# KiCad board Solder.kicad_pcb (continued)
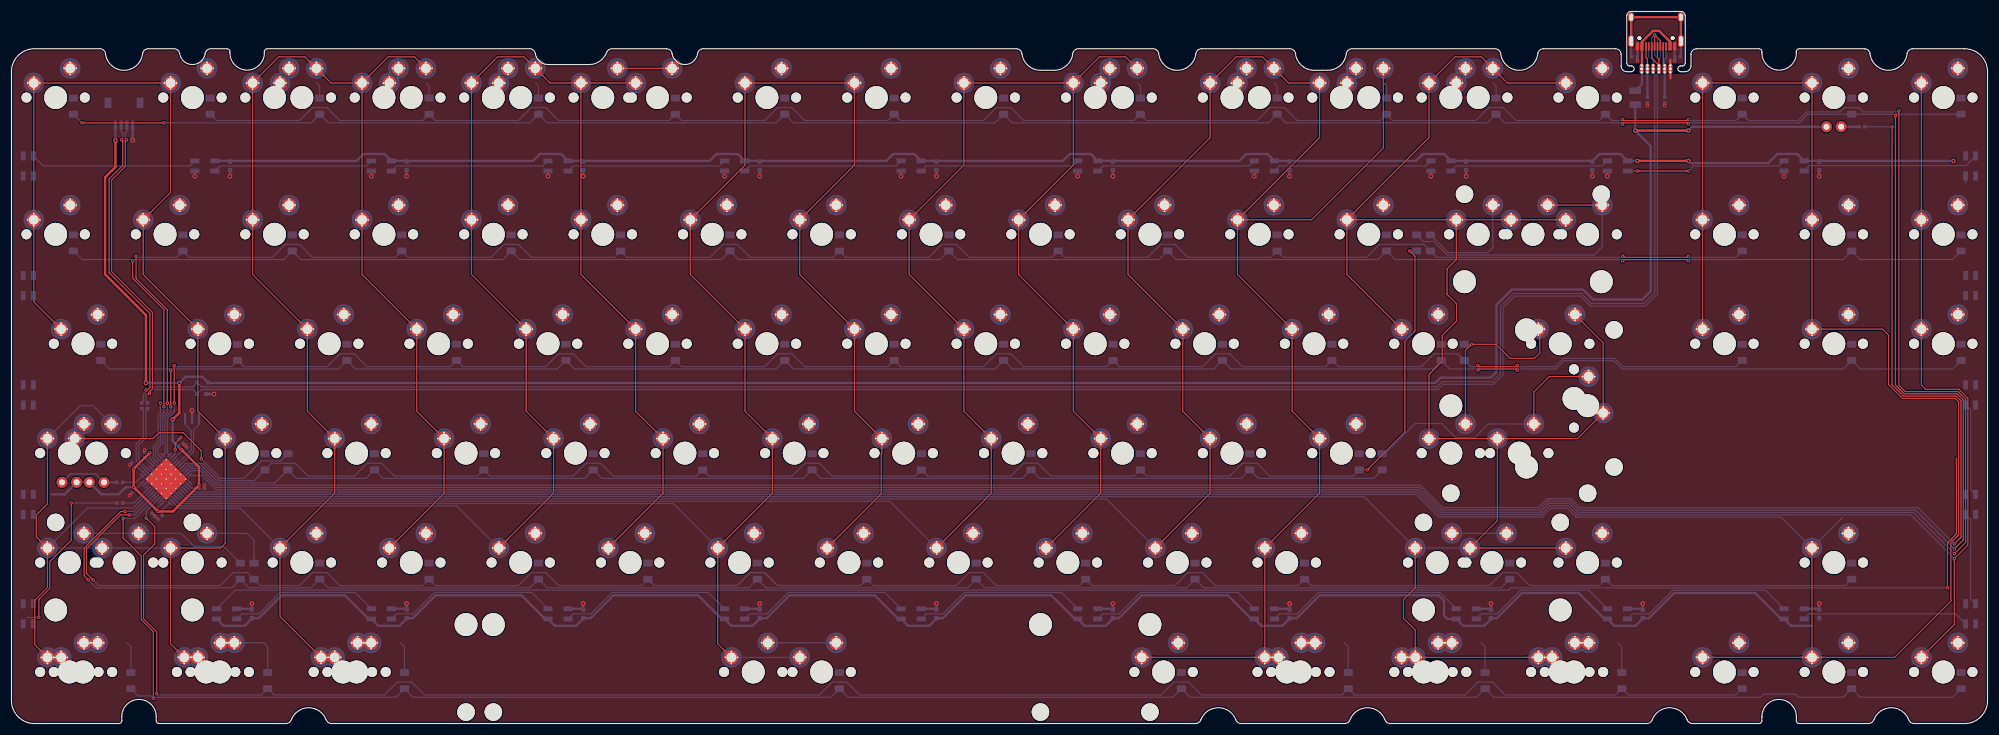
[diagram p0: board, top side]
## Copper pours and planes (outline as drawn; the poured copper is in the pictures) (continued)
C1 on Top: 61.13,85.22 61.13,85.33 61.13,85.43 61.14,85.52 61.16,85.61 61.17,85.69 61.19,85.76 61.21,85.83 61.24,85.9 61.27,85.96 61.3,86.02 61.33,86.08 61.36,86.13 61.4,86.18 61.44,86.23 61.79,86.62 61.83,86.68 61.88,86.73 61.93,86.8 61.97,86.86 62.02,86.93 62.06,87 62.11,87.08 62.15,87.17 61.03,88.34 59.9,87.17 59.94,87.08 59.99,87 60.03,86.93 60.08,86.86 60.13,86.8 60.17,86.73 60.22,86.68 60.27,86.62 60.61,86.23 60.65,86.18 60.69,86.13 60.72,86.08 60.76,86.02 60.79,85.96 60.81,85.9 60.84,85.83 60.86,85.76 60.88,85.69 60.9,85.61 60.91,85.52 60.92,85.43 60.92,85.33 60.93,85.22
C1 on Top: 73.48,51.3 73.56,51.23 73.62,51.15 73.68,51.08 73.73,51.01 73.78,50.94 73.82,50.88 73.85,50.81 73.88,50.75 73.91,50.68 73.93,50.62 73.94,50.56 73.95,50.5 73.97,50.43 73.97,50.37 74,49.85 74.01,49.78 74.02,49.7 74.03,49.63 74.04,49.55 74.06,49.47 74.08,49.38 74.1,49.3 74.13,49.2 75.76,49.17 75.72,50.8 75.63,50.82 75.55,50.85 75.46,50.87 75.38,50.89 75.3,50.9 75.23,50.91 75.15,50.92 75.08,50.93 74.56,50.96 74.49,50.96 74.43,50.97 74.37,50.99 74.31,51 74.25,51.02 74.18,51.05 74.12,51.08 74.05,51.11 73.99,51.15 73.92,51.2 73.85,51.25 73.77,51.31 73.7,51.37 73.62,51.45
C1 on Top: 70.65,66.17 70.65,66.28 70.66,66.38 70.67,66.47 70.68,66.56 70.7,66.64 70.72,66.71 70.74,66.78 70.76,66.85 70.79,66.91 70.82,66.97 70.85,67.03 70.89,67.08 70.93,67.13 70.96,67.18 71.31,67.57 71.36,67.63 71.41,67.68 71.45,67.75 71.5,67.81 71.54,67.88 71.59,67.95 71.63,68.03 71.68,68.12 70.55,69.29 69.43,68.12 69.47,68.03 69.51,67.95 69.56,67.88 69.6,67.81 69.65,67.75 69.7,67.68 69.74,67.63 69.79,67.57 70.14,67.18 70.18,67.13 70.21,67.08 70.25,67.03 70.28,66.97 70.31,66.91 70.34,66.85 70.36,66.78 70.39,66.71 70.41,66.64 70.42,66.56 70.43,66.47 70.44,66.38 70.45,66.28 70.45,66.17
C1 on Top: 54.43,51.3 54.51,51.23 54.57,51.15 54.63,51.08 54.68,51.01 54.73,50.94 54.77,50.88 54.8,50.81 54.83,50.75 54.86,50.68 54.88,50.62 54.89,50.56 54.9,50.5 54.92,50.43 54.92,50.37 54.95,49.85 54.96,49.78 54.97,49.7 54.98,49.63 54.99,49.55 55.01,49.47 55.03,49.38 55.05,49.3 55.08,49.2 56.71,49.17 56.67,50.8 56.58,50.82 56.5,50.85 56.41,50.87 56.33,50.89 56.25,50.9 56.18,50.91 56.1,50.92 56.03,50.93 55.51,50.96 55.44,50.96 55.38,50.97 55.32,50.99 55.26,51 55.2,51.02 55.13,51.05 55.07,51.08 55,51.11 54.94,51.15 54.87,51.2 54.8,51.25 54.72,51.31 54.65,51.37 54.57,51.45
C1 on Top: 51.6,66.17 51.6,66.28 51.61,66.38 51.62,66.47 51.63,66.56 51.65,66.64 51.67,66.71 51.69,66.78 51.71,66.85 51.74,66.91 51.77,66.97 51.8,67.03 51.84,67.08 51.88,67.13 51.91,67.18 52.26,67.57 52.31,67.63 52.36,67.68 52.4,67.75 52.45,67.81 52.49,67.88 52.54,67.95 52.58,68.03 52.63,68.12 51.5,69.29 50.38,68.12 50.42,68.03 50.46,67.95 50.51,67.88 50.55,67.81 50.6,67.75 50.65,67.68 50.69,67.63 50.74,67.57 51.09,67.18 51.13,67.13 51.16,67.08 51.2,67.03 51.23,66.97 51.26,66.91 51.29,66.85 51.31,66.78 51.34,66.71 51.36,66.64 51.37,66.56 51.38,66.47 51.39,66.38 51.4,66.28 51.4,66.17
C1 on Top: 56.36,47.12 56.37,47.23 56.37,47.33 56.38,47.42 56.39,47.51 56.41,47.59 56.43,47.66 56.45,47.73 56.48,47.8 56.5,47.86 56.53,47.92 56.57,47.98 56.6,48.03 56.64,48.08 56.68,48.13 57.03,48.52 57.07,48.58 57.12,48.63 57.16,48.7 57.21,48.76 57.26,48.83 57.3,48.9 57.35,48.98 57.39,49.07 56.26,50.24 55.14,49.07 55.18,48.98 55.23,48.9 55.27,48.83 55.32,48.76 55.36,48.7 55.41,48.63 55.46,48.58 55.5,48.52 55.85,48.13 55.89,48.08 55.93,48.03 55.96,47.98 55.99,47.92 56.02,47.86 56.05,47.8 56.08,47.73 56.1,47.66 56.12,47.59 56.13,47.51 56.15,47.42 56.16,47.33 56.16,47.23 56.16,47.12
C1 on Top: 48.43,32.4 48.35,32.32 48.28,32.26 48.21,32.2 48.14,32.15 48.07,32.1 48,32.06 47.94,32.03 47.87,32 47.81,31.97 47.74,31.95 47.68,31.94 47.62,31.92 47.56,31.91 47.5,31.91 46.97,31.88 46.9,31.87 46.83,31.86 46.75,31.85 46.67,31.84 46.59,31.82 46.51,31.8 46.42,31.77 46.33,31.75 46.3,30.12 47.92,30.15 47.95,30.25 47.97,30.33 48,30.42 48.01,30.5 48.03,30.58 48.04,30.65 48.04,30.73 48.05,30.8 48.08,31.32 48.09,31.38 48.1,31.45 48.11,31.51 48.13,31.57 48.15,31.63 48.17,31.7 48.2,31.76 48.24,31.83 48.27,31.89 48.32,31.96 48.37,32.03 48.43,32.1 48.5,32.18 48.57,32.25
C1 on Top: 75.41,47.12 75.42,47.23 75.42,47.33 75.43,47.42 75.44,47.51 75.46,47.59 75.48,47.66 75.5,47.73 75.53,47.8 75.55,47.86 75.58,47.92 75.62,47.98 75.65,48.03 75.69,48.08 75.73,48.13 76.08,48.52 76.12,48.58 76.17,48.63 76.21,48.7 76.26,48.76 76.31,48.83 76.35,48.9 76.4,48.98 76.44,49.07 75.31,50.24 74.19,49.07 74.23,48.98 74.28,48.9 74.32,48.83 74.37,48.76 74.41,48.7 74.46,48.63 74.51,48.58 74.55,48.52 74.9,48.13 74.94,48.08 74.98,48.03 75.01,47.98 75.04,47.92 75.07,47.86 75.1,47.8 75.13,47.73 75.15,47.66 75.17,47.59 75.18,47.51 75.2,47.42 75.21,47.33 75.21,47.23 75.21,47.12
C1 on Top: 67.48,32.4 67.4,32.32 67.33,32.26 67.26,32.2 67.19,32.15 67.12,32.1 67.05,32.06 66.99,32.03 66.92,32 66.86,31.97 66.79,31.95 66.73,31.94 66.67,31.92 66.61,31.91 66.55,31.91 66.02,31.88 65.95,31.87 65.88,31.86 65.8,31.85 65.72,31.84 65.64,31.82 65.56,31.8 65.47,31.77 65.38,31.75 65.35,30.12 66.97,30.15 67,30.25 67.02,30.33 67.05,30.42 67.06,30.5 67.08,30.58 67.09,30.65 67.09,30.73 67.1,30.8 67.13,31.32 67.14,31.38 67.15,31.45 67.16,31.51 67.18,31.57 67.2,31.63 67.22,31.7 67.25,31.76 67.29,31.83 67.32,31.89 67.37,31.96 67.42,32.03 67.48,32.1 67.55,32.18 67.62,32.25
C1 on Top: 60.93,90.2 60.92,90.1 60.92,90 60.91,89.91 60.9,89.82 60.88,89.74 60.86,89.66 60.84,89.59 60.81,89.53 60.79,89.47 60.76,89.41 60.72,89.35 60.69,89.3 60.65,89.25 60.61,89.2 60.27,88.81 60.22,88.75 60.17,88.69 60.13,88.63 60.08,88.57 60.03,88.5 59.99,88.42 59.94,88.34 59.9,88.26 61.03,87.09 62.15,88.26 62.11,88.34 62.06,88.42 62.02,88.5 61.97,88.57 61.93,88.63 61.88,88.69 61.83,88.75 61.79,88.81 61.44,89.2 61.4,89.25 61.36,89.3 61.33,89.35 61.3,89.41 61.27,89.47 61.24,89.53 61.21,89.59 61.19,89.66 61.17,89.74 61.16,89.82 61.14,89.91 61.13,90 61.13,90.1 61.13,90.2
C1 on Top: 62.72,113.36 62.64,113.28 62.57,113.22 62.49,113.16 62.42,113.11 62.36,113.06 62.29,113.02 62.22,112.99 62.16,112.96 62.1,112.94 62.03,112.92 61.97,112.9 61.91,112.89 61.85,112.88 61.78,112.87 61.26,112.84 61.19,112.83 61.12,112.82 61.04,112.81 60.96,112.8 60.88,112.78 60.79,112.76 60.71,112.74 60.62,112.71 60.58,111.09 62.21,111.12 62.24,111.21 62.26,111.3 62.28,111.38 62.3,111.46 62.31,111.54 62.32,111.62 62.33,111.69 62.34,111.76 62.37,112.28 62.38,112.35 62.39,112.41 62.4,112.47 62.42,112.53 62.44,112.6 62.46,112.66 62.49,112.72 62.52,112.79 62.56,112.86 62.61,112.92 62.66,112.99 62.72,113.07 62.78,113.14 62.86,113.22
C1 on Top: 58.54,111.43 58.64,111.43 58.74,111.42 58.83,111.41 58.92,111.4 59,111.38 59.08,111.36 59.15,111.34 59.21,111.31 59.27,111.29 59.33,111.26 59.39,111.22 59.44,111.19 59.49,111.15 59.54,111.11 59.93,110.77 59.99,110.72 60.05,110.67 60.11,110.63 60.17,110.58 60.24,110.53 60.32,110.49 60.4,110.45 60.48,110.4 61.65,111.53 60.48,112.65 60.4,112.61 60.32,112.56 60.24,112.52 60.17,112.47 60.11,112.43 60.05,112.38 59.99,112.33 59.93,112.29 59.54,111.94 59.49,111.9 59.44,111.86 59.39,111.83 59.33,111.8 59.27,111.77 59.21,111.74 59.15,111.71 59.08,111.69 59,111.67 58.92,111.66 58.83,111.64 58.74,111.63 58.64,111.63 58.54,111.63
C1 on Top: 70.31,115.76 70.38,115.68 70.45,115.61 70.51,115.53 70.56,115.46 70.6,115.4 70.64,115.33 70.68,115.26 70.71,115.2 70.73,115.14 70.75,115.07 70.77,115.01 70.78,114.95 70.79,114.89 70.8,114.82 70.83,114.3 70.83,114.23 70.84,114.16 70.85,114.08 70.87,114 70.88,113.92 70.9,113.84 70.93,113.75 70.96,113.66 72.58,113.63 72.55,115.25 72.46,115.28 72.37,115.3 72.29,115.32 72.21,115.34 72.13,115.35 72.05,115.36 71.98,115.37 71.9,115.38 71.38,115.41 71.32,115.42 71.26,115.43 71.2,115.44 71.13,115.46 71.07,115.48 71.01,115.5 70.94,115.53 70.88,115.56 70.81,115.6 70.74,115.65 70.67,115.7 70.6,115.76 70.53,115.82 70.45,115.9
C1 on Top: 52.05,13.2 52.13,13.13 52.19,13.05 52.25,12.98 52.3,12.91 52.35,12.84 52.39,12.78 52.42,12.71 52.45,12.65 52.47,12.58 52.49,12.52 52.51,12.46 52.52,12.4 52.53,12.33 52.54,12.27 52.57,11.75 52.58,11.68 52.59,11.6 52.6,11.53 52.61,11.45 52.63,11.37 52.65,11.28 52.67,11.2 52.7,11.1 54.32,11.07 54.29,12.7 54.2,12.72 54.11,12.75 54.03,12.77 53.95,12.79 53.87,12.8 53.79,12.81 53.72,12.82 53.65,12.83 53.13,12.86 53.06,12.86 53,12.87 52.94,12.89 52.88,12.9 52.81,12.92 52.75,12.95 52.69,12.98 52.62,13.01 52.55,13.05 52.49,13.1 52.42,13.15 52.34,13.21 52.27,13.27 52.19,13.35
C1 on Top: 46.84,28.07 46.84,28.18 46.85,28.28 46.86,28.37 46.87,28.46 46.89,28.54 46.9,28.61 46.93,28.68 46.95,28.75 46.98,28.81 47.01,28.87 47.04,28.93 47.08,28.98 47.11,29.03 47.15,29.08 47.5,29.47 47.55,29.53 47.59,29.58 47.64,29.65 47.69,29.71 47.73,29.78 47.78,29.85 47.82,29.93 47.86,30.02 46.74,31.19 45.61,30.02 45.66,29.93 45.7,29.85 45.75,29.78 45.79,29.71 45.84,29.65 45.88,29.58 45.93,29.53 45.98,29.47 46.33,29.08 46.36,29.03 46.4,28.98 46.44,28.93 46.47,28.87 46.5,28.81 46.53,28.75 46.55,28.68 46.57,28.61 46.59,28.54 46.61,28.46 46.62,28.37 46.63,28.28 46.64,28.18 46.64,28.07
C1 on Top: 41.88,90.2 41.87,90.1 41.87,90 41.86,89.91 41.85,89.82 41.83,89.74 41.81,89.66 41.79,89.59 41.76,89.53 41.74,89.47 41.71,89.41 41.67,89.35 41.64,89.3 41.6,89.25 41.56,89.2 41.22,88.81 41.17,88.75 41.12,88.69 41.08,88.63 41.03,88.57 40.98,88.5 40.94,88.42 40.89,88.34 40.85,88.26 41.98,87.09 43.1,88.26 43.06,88.34 43.01,88.42 42.97,88.5 42.92,88.57 42.88,88.63 42.83,88.69 42.78,88.75 42.74,88.81 42.39,89.2 42.35,89.25 42.31,89.3 42.28,89.35 42.25,89.41 42.22,89.47 42.19,89.53 42.16,89.59 42.14,89.66 42.12,89.74 42.11,89.82 42.09,89.91 42.08,90 42.08,90.1 42.08,90.2
C1 on Top: 42.08,109.04 42.08,109.14 42.08,109.24 42.09,109.33 42.11,109.42 42.12,109.5 42.14,109.58 42.16,109.65 42.19,109.71 42.22,109.78 42.25,109.83 42.28,109.89 42.31,109.94 42.35,109.99 42.39,110.04 42.74,110.43 42.78,110.49 42.83,110.55 42.88,110.61 42.92,110.67 42.97,110.74 43.01,110.82 43.06,110.9 43.1,110.98 41.98,112.15 40.85,110.98 40.89,110.9 40.94,110.82 40.98,110.74 41.03,110.67 41.08,110.61 41.12,110.55 41.17,110.49 41.22,110.43 41.56,110.04 41.6,109.99 41.64,109.94 41.67,109.89 41.71,109.83 41.74,109.78 41.76,109.71 41.79,109.65 41.81,109.58 41.83,109.5 41.85,109.42 41.86,109.33 41.87,109.24 41.87,109.14 41.88,109.04
C1 on Top: 51.26,115.76 51.33,115.68 51.4,115.61 51.46,115.53 51.51,115.46 51.55,115.4 51.59,115.33 51.63,115.26 51.66,115.2 51.68,115.14 51.7,115.07 51.72,115.01 51.73,114.95 51.74,114.89 51.75,114.82 51.78,114.3 51.78,114.23 51.79,114.16 51.8,114.08 51.82,114 51.83,113.92 51.85,113.84 51.88,113.75 51.91,113.66 53.53,113.63 53.5,115.25 53.41,115.28 53.32,115.3 53.24,115.32 53.16,115.34 53.08,115.35 53,115.36 52.93,115.37 52.85,115.38 52.33,115.41 52.27,115.42 52.21,115.43 52.15,115.44 52.08,115.46 52.02,115.48 51.96,115.5 51.89,115.53 51.83,115.56 51.76,115.6 51.69,115.65 51.62,115.7 51.55,115.76 51.48,115.82 51.4,115.9
C1 on Top: 61.13,109.04 61.13,109.14 61.13,109.24 61.14,109.33 61.16,109.42 61.17,109.5 61.19,109.58 61.21,109.65 61.24,109.71 61.27,109.78 61.3,109.83 61.33,109.89 61.36,109.94 61.4,109.99 61.44,110.04 61.79,110.43 61.83,110.49 61.88,110.55 61.93,110.61 61.97,110.67 62.02,110.74 62.06,110.82 62.11,110.9 62.15,110.98 61.03,112.15 59.9,110.98 59.94,110.9 59.99,110.82 60.03,110.74 60.08,110.67 60.13,110.61 60.17,110.55 60.22,110.49 60.27,110.43 60.61,110.04 60.65,109.99 60.69,109.94 60.72,109.89 60.76,109.83 60.79,109.78 60.81,109.71 60.84,109.65 60.86,109.58 60.88,109.5 60.9,109.42 60.91,109.33 60.92,109.24 60.92,109.14 60.93,109.04
C1 on Top: 43.67,113.36 43.59,113.28 43.52,113.22 43.44,113.16 43.37,113.11 43.31,113.06 43.24,113.02 43.17,112.99 43.11,112.96 43.05,112.94 42.98,112.92 42.92,112.9 42.86,112.89 42.8,112.88 42.73,112.87 42.21,112.84 42.14,112.83 42.07,112.82 41.99,112.81 41.91,112.8 41.83,112.78 41.74,112.76 41.66,112.74 41.57,112.71 41.53,111.09 43.16,111.12 43.19,111.21 43.21,111.3 43.23,111.38 43.25,111.46 43.26,111.54 43.27,111.62 43.28,111.69 43.29,111.76 43.32,112.28 43.33,112.35 43.34,112.41 43.35,112.47 43.37,112.53 43.39,112.6 43.41,112.66 43.44,112.72 43.47,112.79 43.51,112.86 43.56,112.92 43.61,112.99 43.67,113.07 43.73,113.14 43.81,113.22
C1 on Top: 54.92,112.38 54.85,112.45 54.78,112.53 54.72,112.6 54.67,112.67 54.62,112.74 54.59,112.81 54.55,112.87 54.52,112.94 54.5,113 54.48,113.06 54.46,113.12 54.45,113.19 54.44,113.25 54.43,113.31 54.4,113.83 54.39,113.9 54.39,113.98 54.38,114.05 54.36,114.13 54.35,114.21 54.32,114.3 54.3,114.39 54.27,114.48 52.65,114.51 52.68,112.89 52.77,112.86 52.86,112.83 52.94,112.81 53.02,112.79 53.1,112.78 53.18,112.77 53.25,112.76 53.32,112.76 53.85,112.73 53.91,112.72 53.97,112.71 54.03,112.69 54.09,112.68 54.16,112.66 54.22,112.63 54.29,112.6 54.35,112.57 54.42,112.53 54.49,112.49 54.56,112.43 54.63,112.38 54.7,112.31 54.78,112.24
C1 on Top: 42.08,85.22 42.08,85.33 42.08,85.43 42.09,85.52 42.11,85.61 42.12,85.69 42.14,85.76 42.16,85.83 42.19,85.9 42.22,85.96 42.25,86.02 42.28,86.08 42.31,86.13 42.35,86.18 42.39,86.23 42.74,86.62 42.78,86.68 42.83,86.73 42.88,86.8 42.92,86.86 42.97,86.93 43.01,87 43.06,87.08 43.1,87.17 41.98,88.34 40.85,87.17 40.89,87.08 40.94,87 40.98,86.93 41.03,86.86 41.08,86.8 41.12,86.73 41.17,86.68 41.22,86.62 41.56,86.23 41.6,86.18 41.64,86.13 41.67,86.08 41.71,86.02 41.74,85.96 41.76,85.9 41.79,85.83 41.81,85.76 41.83,85.69 41.85,85.61 41.86,85.52 41.87,85.43 41.87,85.33 41.88,85.22
C1 on Top: 49.67,70.35 49.74,70.28 49.81,70.2 49.87,70.13 49.92,70.06 49.97,69.99 50.01,69.93 50.04,69.86 50.07,69.8 50.09,69.73 50.11,69.67 50.13,69.61 50.14,69.55 50.15,69.48 50.16,69.42 50.19,68.9 50.2,68.83 50.2,68.75 50.21,68.68 50.23,68.6 50.25,68.52 50.27,68.43 50.29,68.35 50.32,68.25 51.94,68.22 51.91,69.85 51.82,69.87 51.73,69.9 51.65,69.92 51.57,69.94 51.49,69.95 51.41,69.96 51.34,69.97 51.27,69.98 50.74,70.01 50.68,70.01 50.62,70.02 50.56,70.04 50.5,70.05 50.43,70.07 50.37,70.1 50.31,70.13 50.24,70.16 50.17,70.2 50.1,70.25 50.03,70.3 49.96,70.36 49.89,70.42 49.81,70.5
C1 on Top: 68.72,70.35 68.79,70.28 68.86,70.2 68.92,70.13 68.97,70.06 69.02,69.99 69.06,69.93 69.09,69.86 69.12,69.8 69.14,69.73 69.16,69.67 69.18,69.61 69.19,69.55 69.2,69.48 69.21,69.42 69.24,68.9 69.25,68.83 69.25,68.75 69.26,68.68 69.28,68.6 69.3,68.52 69.32,68.43 69.34,68.35 69.37,68.25 70.99,68.22 70.96,69.85 70.87,69.87 70.78,69.9 70.7,69.92 70.62,69.94 70.54,69.95 70.46,69.96 70.39,69.97 70.32,69.98 69.79,70.01 69.73,70.01 69.67,70.02 69.61,70.04 69.55,70.05 69.48,70.07 69.42,70.1 69.36,70.13 69.29,70.16 69.22,70.2 69.15,70.25 69.08,70.3 69.01,70.36 68.94,70.42 68.86,70.5
C1 on Bottom: 44.91,32.25 44.98,32.18 45.05,32.1 45.11,32.03 45.16,31.96 45.2,31.89 45.24,31.83 45.28,31.76 45.31,31.7 45.33,31.63 45.35,31.57 45.37,31.51 45.38,31.45 45.39,31.38 45.4,31.32 45.43,30.8 45.43,30.73 45.44,30.65 45.45,30.58 45.47,30.5 45.48,30.42 45.5,30.33 45.53,30.25 45.56,30.15 47.18,30.12 47.15,31.75 47.06,31.77 46.97,31.8 46.89,31.82 46.81,31.84 46.73,31.85 46.65,31.86 46.58,31.87 46.5,31.88 45.98,31.91 45.92,31.91 45.86,31.92 45.8,31.94 45.73,31.95 45.67,31.97 45.61,32 45.54,32.03 45.48,32.06 45.41,32.1 45.34,32.15 45.27,32.2 45.2,32.26 45.13,32.32 45.05,32.4
C2 on Top: 111.58,51.3 111.66,51.23 111.72,51.15 111.78,51.08 111.83,51.01 111.88,50.94 111.92,50.88 111.95,50.81 111.98,50.75 112.01,50.68 112.03,50.62 112.04,50.56 112.05,50.5 112.07,50.43 112.07,50.37 112.1,49.85 112.11,49.78 112.12,49.7 112.13,49.63 112.14,49.55 112.16,49.47 112.18,49.38 112.2,49.3 112.23,49.2 113.86,49.17 113.82,50.8 113.73,50.82 113.65,50.85 113.56,50.87 113.48,50.89 113.4,50.9 113.33,50.91 113.25,50.92 113.18,50.93 112.66,50.96 112.59,50.96 112.53,50.97 112.47,50.99 112.41,51 112.35,51.02 112.28,51.05 112.22,51.08 112.15,51.11 112.09,51.15 112.02,51.2 111.95,51.25 111.87,51.31 111.8,51.37 111.72,51.45
C2 on Top: 108.75,66.17 108.75,66.28 108.76,66.38 108.77,66.47 108.78,66.56 108.8,66.64 108.82,66.71 108.84,66.78 108.86,66.85 108.89,66.91 108.92,66.97 108.95,67.03 108.99,67.08 109.03,67.13 109.06,67.18 109.41,67.57 109.46,67.63 109.51,67.68 109.55,67.75 109.6,67.81 109.64,67.88 109.69,67.95 109.73,68.03 109.78,68.12 108.65,69.29 107.53,68.12 107.57,68.03 107.61,67.95 107.66,67.88 107.7,67.81 107.75,67.75 107.8,67.68 107.84,67.63 107.89,67.57 108.24,67.18 108.28,67.13 108.31,67.08 108.35,67.03 108.38,66.97 108.41,66.91 108.44,66.85 108.46,66.78 108.49,66.71 108.51,66.64 108.52,66.56 108.53,66.47 108.54,66.38 108.55,66.28 108.55,66.17
C2 on Top: 89.7,66.17 89.7,66.28 89.71,66.38 89.72,66.47 89.73,66.56 89.75,66.64 89.77,66.71 89.79,66.78 89.81,66.85 89.84,66.91 89.87,66.97 89.9,67.03 89.94,67.08 89.98,67.13 90.01,67.18 90.36,67.57 90.41,67.63 90.46,67.68 90.5,67.75 90.55,67.81 90.59,67.88 90.64,67.95 90.68,68.03 90.73,68.12 89.6,69.29 88.48,68.12 88.52,68.03 88.56,67.95 88.61,67.88 88.65,67.81 88.7,67.75 88.75,67.68 88.79,67.63 88.84,67.57 89.19,67.18 89.23,67.13 89.26,67.08 89.3,67.03 89.33,66.97 89.36,66.91 89.39,66.85 89.41,66.78 89.44,66.71 89.46,66.64 89.47,66.56 89.48,66.47 89.49,66.38 89.5,66.28 89.5,66.17
C2 on Top: 92.53,51.3 92.61,51.23 92.67,51.15 92.73,51.08 92.78,51.01 92.83,50.94 92.87,50.88 92.9,50.81 92.93,50.75 92.96,50.68 92.98,50.62 92.99,50.56 93,50.5 93.02,50.43 93.02,50.37 93.05,49.85 93.06,49.78 93.07,49.7 93.08,49.63 93.09,49.55 93.11,49.47 93.13,49.38 93.15,49.3 93.18,49.2 94.81,49.17 94.77,50.8 94.68,50.82 94.6,50.85 94.51,50.87 94.43,50.89 94.35,50.9 94.28,50.91 94.2,50.92 94.13,50.93 93.61,50.96 93.54,50.96 93.48,50.97 93.42,50.99 93.36,51 93.3,51.02 93.23,51.05 93.17,51.08 93.1,51.11 93.04,51.15 92.97,51.2 92.9,51.25 92.82,51.31 92.75,51.37 92.67,51.45
C2 on Top: 86.53,32.4 86.45,32.32 86.38,32.26 86.31,32.2 86.24,32.15 86.17,32.1 86.1,32.06 86.04,32.03 85.97,32 85.91,31.97 85.84,31.95 85.78,31.94 85.72,31.92 85.66,31.91 85.6,31.91 85.07,31.88 85,31.87 84.93,31.86 84.85,31.85 84.77,31.84 84.69,31.82 84.61,31.8 84.52,31.77 84.43,31.75 84.4,30.12 86.02,30.15 86.05,30.25 86.07,30.33 86.1,30.42 86.11,30.5 86.13,30.58 86.14,30.65 86.14,30.73 86.15,30.8 86.18,31.32 86.19,31.38 86.2,31.45 86.21,31.51 86.23,31.57 86.25,31.63 86.27,31.7 86.3,31.76 86.34,31.83 86.37,31.89 86.42,31.96 86.47,32.03 86.53,32.1 86.6,32.18 86.67,32.25
C2 on Top: 105.58,32.4 105.5,32.32 105.43,32.26 105.36,32.2 105.29,32.15 105.22,32.1 105.15,32.06 105.09,32.03 105.02,32 104.96,31.97 104.89,31.95 104.83,31.94 104.77,31.92 104.71,31.91 104.65,31.91 104.12,31.88 104.05,31.87 103.98,31.86 103.9,31.85 103.82,31.84 103.74,31.82 103.66,31.8 103.57,31.77 103.48,31.75 103.45,30.12 105.07,30.15 105.1,30.25 105.12,30.33 105.15,30.42 105.16,30.5 105.18,30.58 105.19,30.65 105.19,30.73 105.2,30.8 105.23,31.32 105.24,31.38 105.25,31.45 105.26,31.51 105.28,31.57 105.3,31.63 105.32,31.7 105.35,31.76 105.39,31.83 105.42,31.89 105.47,31.96 105.52,32.03 105.58,32.1 105.65,32.18 105.72,32.25
C2 on Top: 113.51,47.12 113.52,47.23 113.52,47.33 113.53,47.42 113.54,47.51 113.56,47.59 113.58,47.66 113.6,47.73 113.63,47.8 113.65,47.86 113.68,47.92 113.72,47.98 113.75,48.03 113.79,48.08 113.83,48.13 114.18,48.52 114.22,48.58 114.27,48.63 114.31,48.7 114.36,48.76 114.41,48.83 114.45,48.9 114.5,48.98 114.54,49.07 113.41,50.24 112.29,49.07 112.33,48.98 112.38,48.9 112.42,48.83 112.47,48.76 112.51,48.7 112.56,48.63 112.61,48.58 112.65,48.52 113,48.13 113.04,48.08 113.08,48.03 113.11,47.98 113.14,47.92 113.17,47.86 113.2,47.8 113.23,47.73 113.25,47.66 113.27,47.59 113.28,47.51 113.3,47.42 113.31,47.33 113.31,47.23 113.31,47.12
C2 on Top: 94.46,47.12 94.47,47.23 94.47,47.33 94.48,47.42 94.49,47.51 94.51,47.59 94.53,47.66 94.55,47.73 94.58,47.8 94.6,47.86 94.63,47.92 94.67,47.98 94.7,48.03 94.74,48.08 94.78,48.13 95.13,48.52 95.17,48.58 95.22,48.63 95.26,48.7 95.31,48.76 95.36,48.83 95.4,48.9 95.45,48.98 95.49,49.07 94.36,50.24 93.24,49.07 93.28,48.98 93.33,48.9 93.37,48.83 93.42,48.76 93.46,48.7 93.51,48.63 93.56,48.58 93.6,48.52 93.95,48.13 93.99,48.08 94.03,48.03 94.06,47.98 94.09,47.92 94.12,47.86 94.15,47.8 94.18,47.73 94.2,47.66 94.22,47.59 94.23,47.51 94.25,47.42 94.26,47.33 94.26,47.23 94.26,47.12
C2 on Top: 81.77,113.36 81.69,113.28 81.62,113.22 81.54,113.16 81.47,113.11 81.41,113.06 81.34,113.02 81.27,112.99 81.21,112.96 81.15,112.94 81.08,112.92 81.02,112.9 80.96,112.89 80.9,112.88 80.83,112.87 80.31,112.84 80.24,112.83 80.17,112.82 80.09,112.81 80.01,112.8 79.93,112.78 79.84,112.76 79.76,112.74 79.67,112.71 79.63,111.09 81.26,111.12 81.29,111.21 81.31,111.3 81.33,111.38 81.35,111.46 81.36,111.54 81.37,111.62 81.38,111.69 81.39,111.76 81.42,112.28 81.43,112.35 81.44,112.41 81.45,112.47 81.47,112.53 81.49,112.6 81.51,112.66 81.54,112.72 81.57,112.79 81.61,112.86 81.66,112.92 81.71,112.99 81.77,113.07 81.83,113.14 81.91,113.22
C2 on Top: 96.64,111.43 96.74,111.43 96.84,111.42 96.93,111.41 97.02,111.4 97.1,111.38 97.18,111.36 97.25,111.34 97.31,111.31 97.37,111.29 97.43,111.26 97.49,111.22 97.54,111.19 97.59,111.15 97.64,111.11 98.03,110.77 98.09,110.72 98.15,110.67 98.21,110.63 98.27,110.58 98.34,110.53 98.42,110.49 98.5,110.45 98.58,110.4 99.75,111.53 98.58,112.65 98.5,112.61 98.42,112.56 98.34,112.52 98.27,112.47 98.21,112.43 98.15,112.38 98.09,112.33 98.03,112.29 97.64,111.94 97.59,111.9 97.54,111.86 97.49,111.83 97.43,111.8 97.37,111.77 97.31,111.74 97.25,111.71 97.18,111.69 97.1,111.67 97.02,111.66 96.93,111.64 96.84,111.63 96.74,111.63 96.64,111.63
C2 on Top: 106.16,111.43 106.27,111.43 106.37,111.42 106.46,111.41 106.55,111.4 106.63,111.38 106.7,111.36 106.77,111.34 106.84,111.31 106.9,111.29 106.96,111.26 107.01,111.22 107.07,111.19 107.12,111.15 107.17,111.11 107.56,110.77 107.61,110.72 107.67,110.67 107.73,110.63 107.8,110.58 107.87,110.53 107.94,110.49 108.02,110.45 108.11,110.4 109.28,111.53 108.11,112.65 108.02,112.61 107.94,112.56 107.87,112.52 107.8,112.47 107.73,112.43 107.67,112.38 107.61,112.33 107.56,112.29 107.17,111.94 107.12,111.9 107.07,111.86 107.01,111.83 106.96,111.8 106.9,111.77 106.84,111.74 106.77,111.71 106.7,111.69 106.63,111.67 106.55,111.66 106.46,111.64 106.37,111.63 106.27,111.63 106.16,111.63
C2 on Top: 101.62,111.63 101.51,111.63 101.41,111.63 101.32,111.64 101.23,111.66 101.15,111.67 101.08,111.69 101.01,111.71 100.94,111.74 100.88,111.77 100.82,111.8 100.76,111.83 100.71,111.86 100.66,111.9 100.61,111.94 100.22,112.29 100.16,112.33 100.11,112.38 100.05,112.43 99.98,112.47 99.91,112.52 99.84,112.56 99.76,112.61 99.67,112.65 98.5,111.53 99.67,110.4 99.76,110.45 99.84,110.49 99.91,110.53 99.98,110.58 100.05,110.63 100.11,110.67 100.16,110.72 100.22,110.77 100.61,111.11 100.66,111.15 100.71,111.19 100.76,111.22 100.82,111.26 100.88,111.29 100.94,111.31 101.01,111.34 101.08,111.36 101.15,111.38 101.23,111.4 101.32,111.41 101.41,111.42 101.51,111.43 101.62,111.43
C2 on Top: 89.36,115.76 89.43,115.68 89.5,115.61 89.56,115.53 89.61,115.46 89.65,115.4 89.69,115.33 89.73,115.26 89.76,115.2 89.78,115.14 89.8,115.07 89.82,115.01 89.83,114.95 89.84,114.89 89.85,114.82 89.88,114.3 89.88,114.23 89.89,114.16 89.9,114.08 89.92,114 89.93,113.92 89.95,113.84 89.98,113.75 90.01,113.66 91.63,113.63 91.6,115.25 91.51,115.28 91.42,115.3 91.34,115.32 91.26,115.34 91.18,115.35 91.1,115.36 91.03,115.37 90.95,115.38 90.43,115.41 90.37,115.42 90.31,115.43 90.25,115.44 90.18,115.46 90.12,115.48 90.06,115.5 89.99,115.53 89.93,115.56 89.86,115.6 89.79,115.65 89.72,115.7 89.65,115.76 89.58,115.82 89.5,115.9
C2 on Top: 99.23,109.04 99.23,109.14 99.23,109.24 99.24,109.33 99.26,109.42 99.27,109.5 99.29,109.58 99.31,109.65 99.34,109.71 99.37,109.78 99.4,109.83 99.43,109.89 99.46,109.94 99.5,109.99 99.54,110.04 99.89,110.43 99.93,110.49 99.98,110.55 100.03,110.61 100.07,110.67 100.12,110.74 100.16,110.82 100.21,110.9 100.25,110.98 99.13,112.15 98,110.98 98.04,110.9 98.09,110.82 98.13,110.74 98.18,110.67 98.23,110.61 98.27,110.55 98.32,110.49 98.37,110.43 98.71,110.04 98.75,109.99 98.79,109.94 98.82,109.89 98.86,109.83 98.89,109.78 98.91,109.71 98.94,109.65 98.96,109.58 98.98,109.5 99,109.42 99.01,109.33 99.02,109.24 99.02,109.14 99.03,109.04
C2 on Top: 99.03,90.2 99.02,90.1 99.02,90 99.01,89.91 99,89.82 98.98,89.74 98.96,89.66 98.94,89.59 98.91,89.53 98.89,89.47 98.86,89.41 98.82,89.35 98.79,89.3 98.75,89.25 98.71,89.2 98.37,88.81 98.32,88.75 98.27,88.69 98.23,88.63 98.18,88.57 98.13,88.5 98.09,88.42 98.04,88.34 98,88.26 99.13,87.09 100.25,88.26 100.21,88.34 100.16,88.42 100.12,88.5 100.07,88.57 100.03,88.63 99.98,88.69 99.93,88.75 99.89,88.81 99.54,89.2 99.5,89.25 99.46,89.3 99.43,89.35 99.4,89.41 99.37,89.47 99.34,89.53 99.31,89.59 99.29,89.66 99.27,89.74 99.26,89.82 99.24,89.91 99.23,90 99.23,90.1 99.23,90.2
